# Allegro board RK_EVB7_RK3588_LP4XD200P232SD8_V11_20230111YWQ.brd (continued)
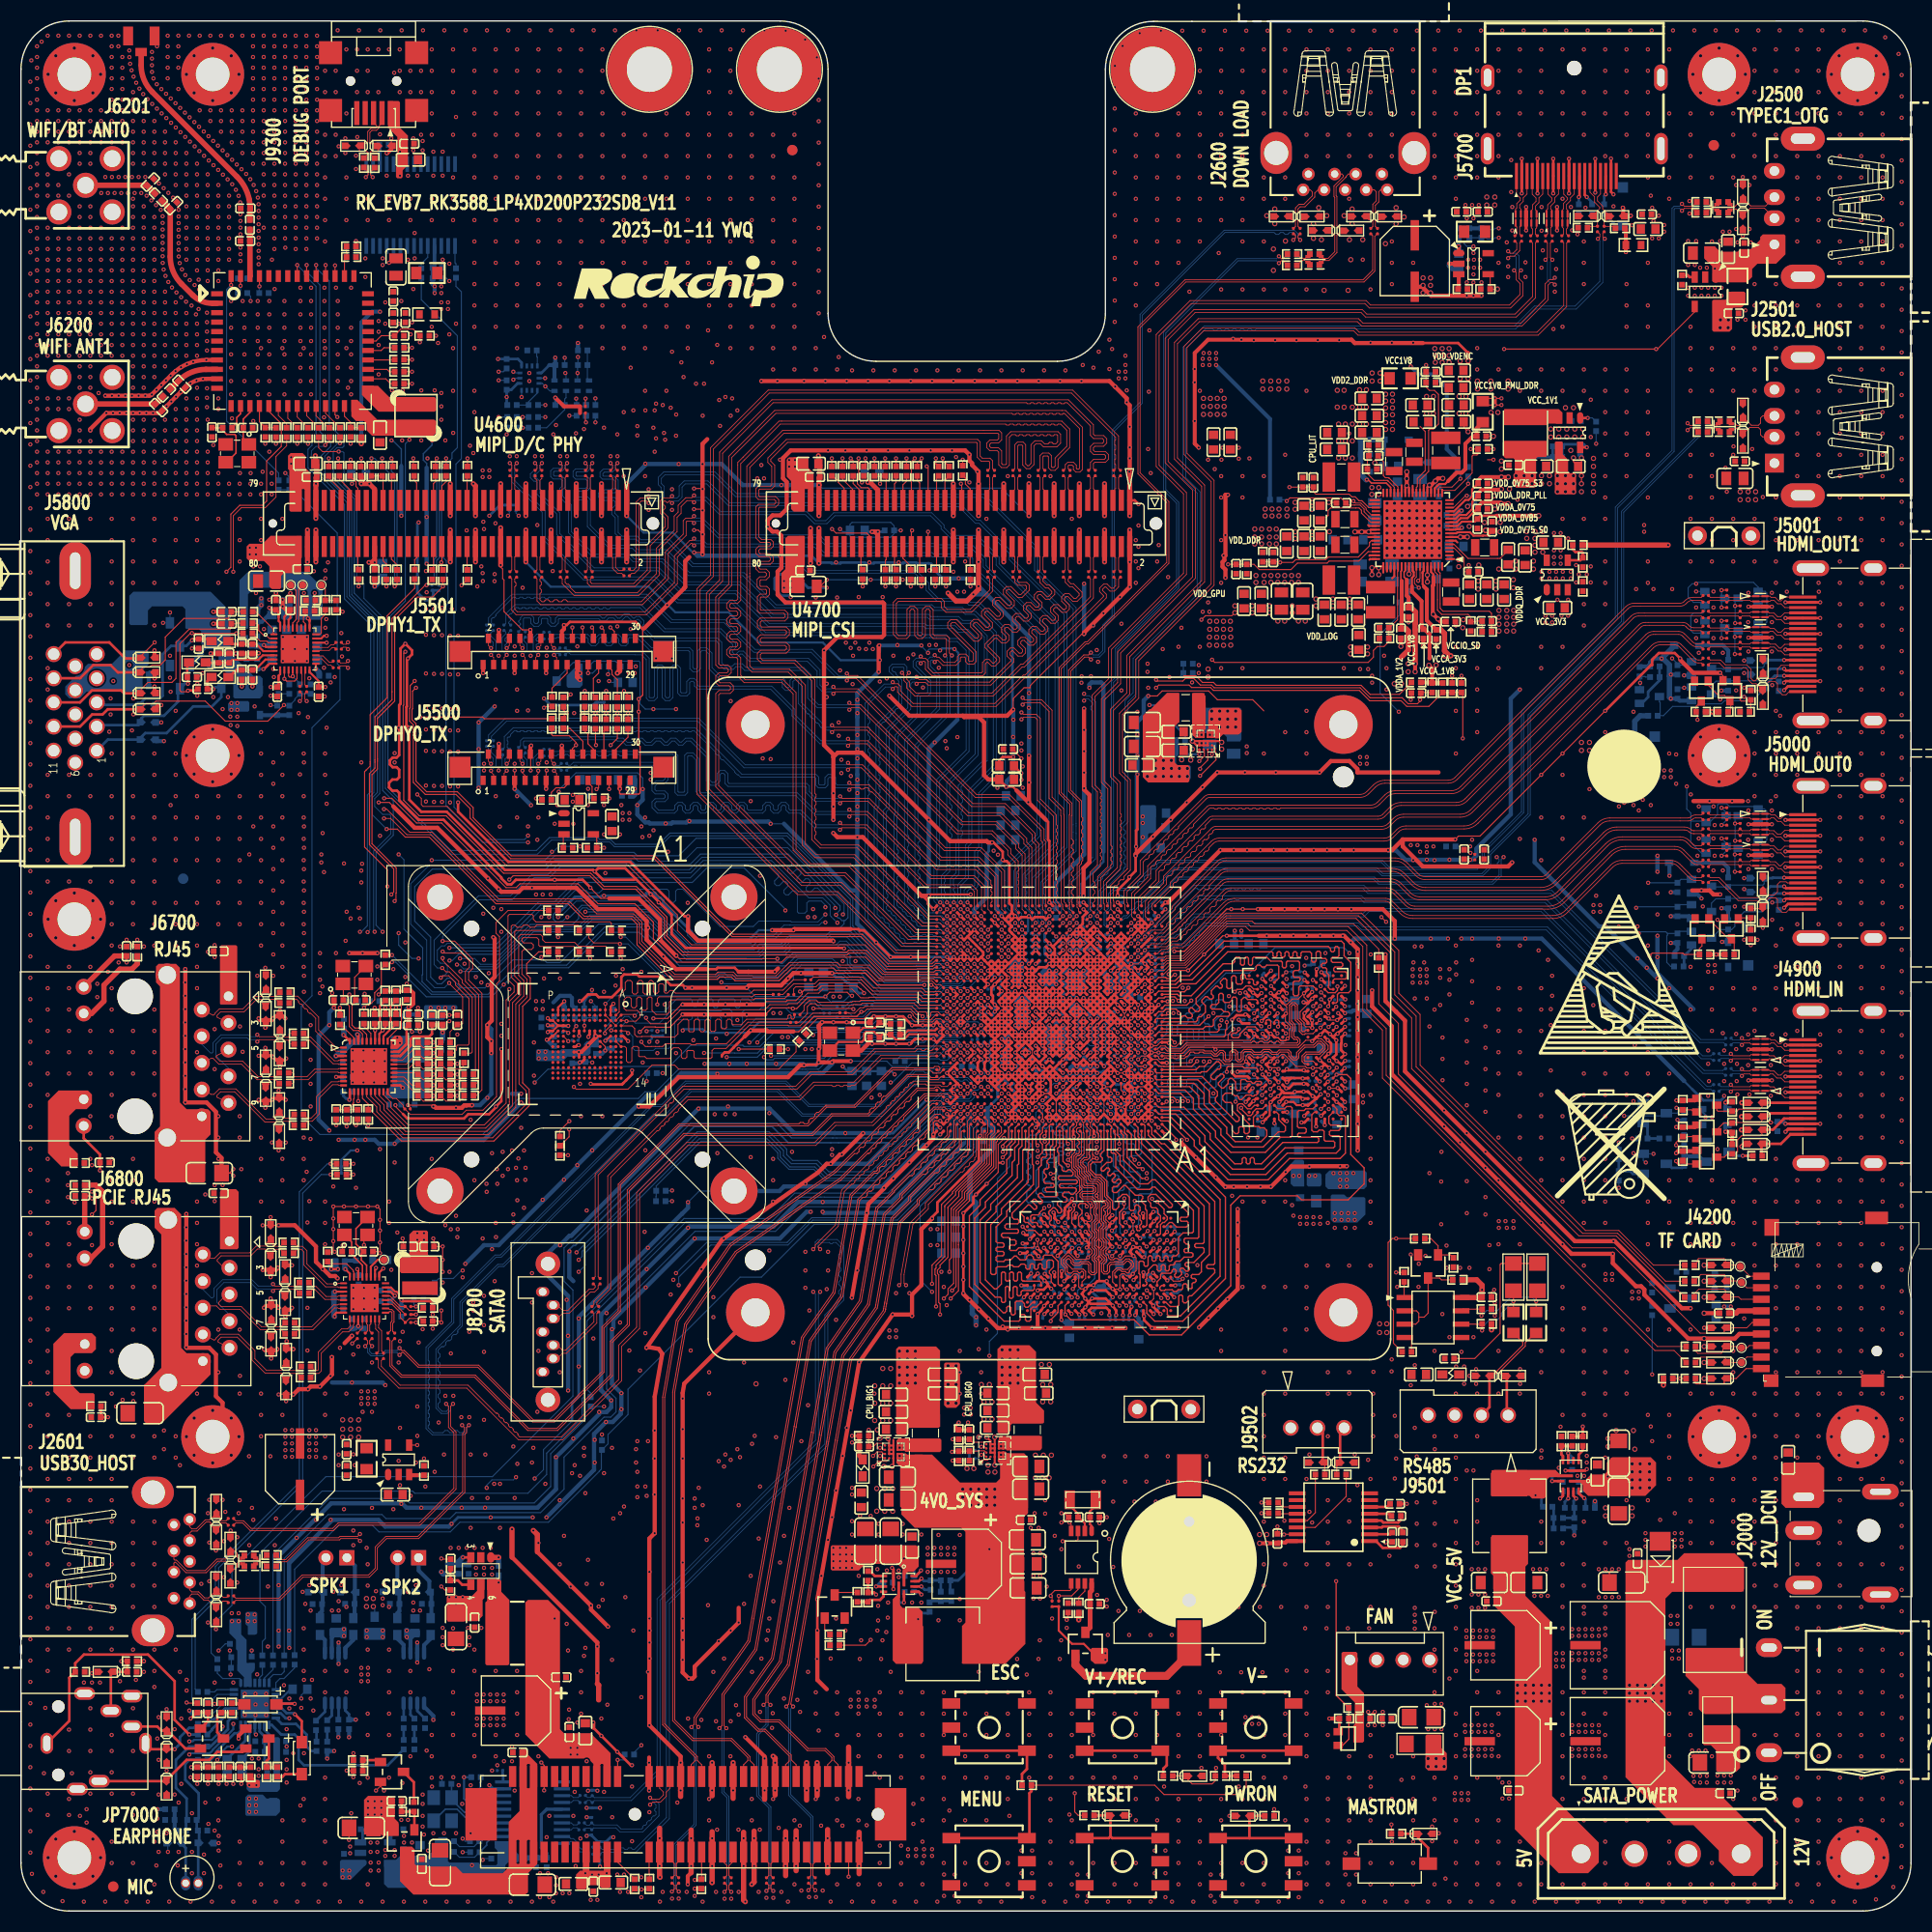
[diagram p0: board, top side]
## Routing (per net, layer and track width the routed paths; a pad name or vN(x,y) marks a point on that pad's centre or on a via; arc(x,y) is an arc through that point) (continued)
DDR_CH0_LP4/4X_CS0_A: length 18.8
  TOP w0.127: U3800.H4 119.37,84.71 119.51,84.85 119.69,84.85 119.79,84.75 119.79,84.3 v1(119.72,84.23) ; U1000.R6 v1(105.74,83.05)
  L6-S2 w0.089: 108.15,83.36 107.84,83.36 107.83,83.38 107.56,83.38 106.07,83.38 v1(105.74,83.05)
  L6-S2 w0.127: 108.15,83.36 108.32,83.2 119.89,83.2 120.04,83.35 120.04,83.62 120.16,83.74 120.16,84.74 120.02,84.88 119.82,84.88 119.69,84.75 119.69,84.26 v1(119.72,84.23)
DDR_CH0_LP4/4X_CS0_B: length 21.9
  TOP w0.127: v1(119.67,79.68) U3800.R4 ; U1000.L7 v1(105.09,80.45)
  BOTTOM w0.089: v1(105.09,80.45) 105.09,80.26 105.42,79.94 105.42,79.67 105.61,79.48 105.88,79.48 106.07,79.29 106.07,78.91 106.72,78.26 106.72,76.79 107.24,76.27
  BOTTOM w0.127: 107.24,76.27 108.08,76.27 108.48,75.86 114.71,75.86 114.83,75.99 114.83,78.65 114.94,78.76 118.3,78.76 118.6,79.07 118.82,79.29 119.28,79.29 119.67,79.68 v1(119.67,79.68)
DDR_CH0_LP4/4X_CS1_A: length 22.4
  TOP w0.127: U1000.R7 104.77,83.38 v1(105.09,83.05) ; v1(118.89,84.2) 119.02,84.34 119.02,84.74 118.9,84.86 118.66,84.86 118.57,84.78 U3800.H3
  BOTTOM w0.089: v1(105.09,83.05) 105.23,83.05 105.55,82.73 108.24,82.73 108.27,82.76
  BOTTOM w0.127: 108.27,82.76 109.12,83.61 109.12,84.37 109.25,84.5 109.5,84.5 109.63,84.37 109.63,83.48 109.75,83.35 110.01,83.35 110.13,83.48 110.13,84.37 110.26,84.5 111.02,84.5 111.15,84.62 111.15,84.88 111.28,85 111.53,85 111.66,84.88 111.66,84.62 111.79,84.5 112.04,84.5 112.17,84.62 112.17,85.26 112.29,85.38 112.55,85.38 112.67,85.26 112.67,84.62 112.8,84.5 113.06,84.5 113.18,84.37 113.18,83.58 113.31,83.45 115.95,83.45 116.48,83.99 117.63,83.99 117.7,83.91 118.6,83.91 v1(118.89,84.2)
DDR_CH0_LP4/4X_CS1_B: length 21.3
  TOP w0.127: U1000.L8 v1(104.44,80.45) ; v1(118.88,79.67) U3800.R3
  BOTTOM w0.089: v1(104.44,80.45) 104.63,80.45 104.96,80.78 105.23,80.78 105.42,80.59 105.42,80.26 105.55,80.13 105.88,80.13 106.72,79.29 106.72,78.77 107.37,78.12 107.37,76.85
  BOTTOM w0.127: v1(118.88,79.67) 118.77,79.67 118.39,79.29 114.75,79.29 114.33,78.86 114.33,76.49 114.2,76.37 108.61,76.37 108.36,76.62 107.59,76.62 107.37,76.85
DDR_CH1_A0_C: length 20
  TOP w0.127: U1000.G12 v1(101.84,77.85) ; v1(105.05,67.35) 105.05,66.97 104.62,66.54 104.62,65.5 U3801.H2
  BOTTOM w0.089: v1(101.84,77.85) 102.02,77.85 102.34,77.53 102.63,77.53 102.82,77.34 102.82,77.07 103.66,76.23 103.93,76.23 104.12,76.04 104.12,75.02
  BOTTOM w0.127: v1(105.05,67.35) 105.03,67.38 104.67,67.38 104.55,67.5 104.55,68.49 104.67,68.62 104.93,68.62 105.05,68.75 105.05,69.13 105.31,69.38 105.82,69.38 105.94,69.51 105.94,69.76 105.82,69.89 105.18,69.89 105.05,70.02 105.05,71.29 104.93,71.41 104.55,71.41 104.42,71.54 104.42,71.8 104.55,71.92 104.93,71.92 105.05,72.05 105.05,72.43 105.18,72.56 105.94,72.56 106.07,72.68 106.07,72.94 105.94,73.07 105.31,73.07 105.18,73.19 105.18,73.95 104.12,75.02
DDR_CH1_A0_D: length 24.3
  TOP w0.127: U3801.R2 100.08,65.5 100.08,66.49 100.33,66.74 100.33,67.15 100.3,67.17 v1(100.3,67.22) ; U1000.H15 v1(99.24,78.5)
  BOTTOM w0.089: 98.6,77.38 98.92,77.7 98.92,78 99.24,78.33 v1(99.24,78.5)
  BOTTOM w0.127: 98.6,77.38 98.6,74.87 98.82,74.65 99.23,74.65 99.34,74.54 99.34,74.38 99.23,74.27 98.56,74.27 98.45,74.16 98.45,74 98.56,73.89 99.23,73.89 99.34,73.78 99.34,73.62 99.23,73.51 98.82,73.51 98.7,73.4 98.7,73.24 98.82,73.13 99.23,73.13 99.34,73.02 99.34,72.86 99.23,72.75 98.82,72.75 98.7,72.64 98.7,72.48 98.82,72.37 99.23,72.37 99.34,72.26 99.34,72.1 99.23,71.99 98.82,71.99 98.7,71.87 98.7,71.41 98.58,71.29 97.82,71.29 97.69,71.16 97.69,70.78 97.31,70.4 97.31,69.59 97.43,69.46 97.97,69.46 98.09,69.33 98.09,69.05 97.92,68.87 97.43,68.87 97.31,68.75 97.31,68.57 97.43,68.44 99.14,68.44 99.21,68.37 100.36,68.37 100.56,68.16 100.56,67.45 100.33,67.22 v1(100.3,67.22)
DDR_CH1_A1_C: length 19.1
  TOP w0.127: v1(101.84,77.2) 101.52,77.53 U1000.F12 ; v1(103.89,64.8) 103.92,64.8 U3801.J2
  BOTTOM w0.089: 103.67,74.83 103.47,75.03 103.47,76.04 102.63,76.88 101.93,76.88 101.84,76.97 v1(101.84,77.2)
  BOTTOM w0.127: 103.67,74.83 104.04,74.46 104.04,74.08 104.17,73.95 104.7,73.95 104.82,73.83 104.82,73.57 104.7,73.45 104.17,73.45 104.04,73.32 104.04,70.96 104.15,70.85 104.43,70.85 104.55,70.74 104.55,70.58 104.43,70.47 104.15,70.47 104.04,70.35 104.04,70.2 104.15,70.09 104.43,70.09 104.55,69.97 104.55,69.82 104.43,69.7 104.15,69.7 104.04,69.59 104.04,69.43 104.15,69.32 104.43,69.32 104.55,69.21 104.55,69.05 104.43,68.94 104.15,68.94 104.04,68.83 104.04,66.97 104.28,66.73 104.28,64.7 104.15,64.57 104.02,64.57 103.89,64.7 v1(103.89,64.8)
DDR_CH1_A1_D: length 23.6
  TOP w0.127: U1000.G14 v1(100.54,77.85) ; v1(101.5,67.1) 101.5,67.23 101.35,67.38 100.87,67.38 100.72,67.23 100.72,67.04 101.04,66.72 101.04,66.44 100.72,66.12 100.72,65.3 100.85,65.18 101.05,65.18 U3801.P2
  L6-S2 w0.089: v1(100.54,77.85) 100.54,78.09 100.48,78.15 100.36,78.15 100.22,78.01 100.22,76.04 100.22,74.98
  L6-S2 w0.127: 100.22,74.98 100.23,74.97 100.23,74.84 100.1,74.72 99.59,74.72 99.47,74.59 99.47,74.11 99.59,73.98 99.87,73.98 100.1,74.21 100.36,74.21 100.7,74.55 100.88,74.55 101.12,74.31 101.12,74.08 101.02,73.98 101.02,73.8 101.12,73.7 101.12,73.5 100.99,73.37 100.34,73.37 100.23,73.26 100.23,73.1 100.34,72.99 101.01,72.99 101.12,72.88 101.12,72.72 101.01,72.61 100.72,72.61 100.61,72.5 100.61,72.34 100.72,72.23 101.01,72.23 101.12,72.12 101.12,71.41 101.5,71.03 101.5,70.84 101.63,70.72 101.82,70.72 102.01,70.52 102.01,70.3 101.89,70.18 101.48,70.18 101.37,70.07 101.37,69.91 101.48,69.8 101.89,69.8 102.01,69.69 102.01,69.51 101.88,69.38 101.5,69.38 101.37,69.26 101.37,69.13 101.52,68.98 101.75,68.98 101.88,68.86 101.88,68.75 101.63,68.49 101.63,68.17 101.51,68.05 101.48,68.05 101.37,67.94 101.37,67.78 101.48,67.67 101.51,67.67 101.63,67.56 101.63,67.22 v1(101.5,67.1)
DDR_CH1_A2_C: length 20.6
  TOP w0.127: v1(101.19,76.55) 100.87,76.88 U1000.E13 ; U3801.H9 105.02,59.51 105.02,59.33 105.14,59.2 v1(105.32,59.2)
  L6-S2 w0.089: v1(101.19,76.55) 101.52,76.23 102.02,76.23 102.17,76.08 102.17,75.14 102.17,75.14 102.17,75.12 102.36,74.93 102.38,74.93 102.57,74.74
  L6-S2 w0.127: v1(105.32,59.2) 105.14,59.2 105.02,59.33 105.02,59.51 104.29,60.23 104.29,63.1 104.28,63.12 104.28,64.26 104.29,64.27 104.29,71.9 104.04,72.15 104.04,73.27 102.57,74.74
DDR_CH1_A2_D: length 21.8
  TOP w0.127: U1000.G13 v1(101.19,77.85) ; v1(100.17,59.24) 100.4,59.47 U3801.R9
  L6-S2 w0.089: 101.18,74.78 100.87,75.09 100.87,77.53 v1(101.19,77.85)
  L6-S2 w0.127: v1(100.17,59.24) 100.76,59.24 102.26,60.75 102.26,66.08 102.01,66.33 102.01,68.37 102.51,68.87 102.51,70.56 101.5,71.57 101.5,74.46 101.18,74.78
DDR_CH1_A3_C: length 20
  TOP w0.127: U1000.D13 100.87,76.23 v1(101.19,75.9) ; U3801.H10 v1(104.65,58.48)
  L6-S2 w0.089: v1(101.19,75.9) 101.19,75.88 101.52,75.55 101.52,75.08 101.85,74.74
  L6-S2 w0.127: v1(104.65,58.48) 104.32,58.82 104.32,59.58 103.4,60.49 103.4,66.59 103.78,66.97 103.78,71.57 103.56,71.8 103.56,73.04 101.85,74.74
DDR_CH1_A3_D: length 21.1
  TOP w0.127: U3801.R10 100.63,58.55 v1(100.63,58.43) ; v1(100.54,76.55) 100.22,76.88 U1000.E14
  BOTTOM w0.089: v1(100.54,76.55) 100.87,76.23 100.87,76.04 100.87,75.09 101.03,74.93
  BOTTOM w0.127: 101.03,74.93 101.75,74.21 101.75,71.67 102.39,71.03 102.39,69.76 102.08,69.46 102.08,67.63 102.39,67.33 102.39,65.95 102.26,65.83 102.26,60.24 101.73,59.71 101.24,59.71 100.63,59.09 v1(100.63,58.43)
DDR_CH1_A4_C: length 19.3
  TOP w0.127: U1000.A10 102.87,74.23 102.87,72.6 v1(102.46,72.2) ; U3801.H11 v1(105.27,57.65)
  L6-S2 w0.127: v1(102.46,72.2) 103.4,71.25 103.4,67.71 103.02,67.33 103.02,58.92 103.86,58.08 104.85,58.08 v1(105.27,57.65)
DDR_CH1_A4_D: length 19.7
  TOP w0.127: v1(99.72,73.07) 99.57,73.22 U1000.A15 ; v1(100.1,57.65) 100.1,57.68 U3801.R11
  L6-S2 w0.127: v1(100.1,57.65) 100.1,57.68 99.72,58.06 99.72,59.35 100.03,59.65 100.58,59.65 101.12,60.19 101.12,62.27 101.88,63.03 101.88,64.81 101.5,65.19 101.24,65.19 100.99,65.45 100.99,65.7 101.12,65.83 101.12,67.48 100.99,67.6 100.99,70.91 100.74,71.16 100.74,71.67 100.1,72.3 100.1,72.71 99.75,73.07 v1(99.72,73.07)
DDR_CH1_A5_C: length 20.4
  TOP w0.127: U3801.J11 v1(104.62,57.65) ; U1000.B11 102.17,74.93 102.49,74.61 102.49,74.15 102.61,74.03 102.61,73.47 102.46,73.32 v1(102.46,73.27)
  L6-S2 w0.127: v1(104.62,57.65) 104.28,57.31 103.83,57.31 102.64,58.5 102.64,67.63 103.02,68.01 103.02,70.59 102.12,71.49 102.12,72.92 v1(102.46,73.27)
DDR_CH1_A5_D: length 21.4
  TOP w0.127: v1(99.72,72.05) 100.12,72.45 100.12,73.3 99.89,73.53 99.89,74.61 100.22,74.93 U1000.B14 ; U3801.P11 v1(100.75,57.68)
  L6-S2 w0.127: v1(99.72,72.05) 100.1,71.67 100.1,71.26 100.61,70.75 100.61,67.43 100.72,67.31 100.72,67.13 100.13,66.54 100.13,65.9 100.46,65.57 100.46,64.53 100.23,64.3 99.97,64.3 99.72,64.05 99.72,60.77 99.31,60.37 99.21,60.37 98.98,60.14 98.98,58.94 99.34,58.59 99.34,57.88 99.92,57.29 100.36,57.29 v1(100.75,57.68)
DDR_CH1_CLKN_C: length 23.8
  TOP w0.102: U3801.J9 103.96,59.91 103.96,60.86 104.36,61.25 104.78,61.25 104.93,61.1 105.38,61.1 105.75,61.47 105.75,61.62 105.47,61.9 105.32,61.9 105.01,61.58 103.82,61.58 103.67,61.43 103.67,60.89 103.45,60.67 103.14,60.67 102.92,60.89 102.92,61.69 103.17,61.95 103.17,62.18 102.87,62.49 102.87,63 103.14,63.28 103.14,63.77 102.87,64.04 102.87,64.97 103.14,65.25 103.14,65.46 102.92,65.68 102.92,66.94 103.12,67.15 103.23,67.15 103.32,67.24 103.32,67.37 103.22,67.46 103.01,67.46 102.79,67.68 102.79,69.22 102.53,69.48 101.85,69.48 101.63,69.7 101.63,69.94 101.24,70.33 101.24,70.75 100.92,71.07 100.92,71.45 101.22,71.74 101.47,71.74 101.5,71.77 101.5,74.26 U1000.A12
DDR_CH1_CLKN_D: length 26.4
  TOP w0.102: U1000.A13 100.99,74.16 100.99,72.15 100.77,71.93 100.61,71.93 100.48,71.8 100.48,70.94 100.81,70.6 100.81,70.19 101.22,69.78 101.22,69.18 101.33,69.08 102.14,69.08 102.36,68.86 102.36,68.55 102.15,68.33 101.15,68.33 101.06,68.24 101.06,68.12 101.15,68.03 102.07,68.03 102.39,67.7 102.39,67.51 102.51,67.39 102.51,66.93 102.39,66.81 102.39,66.41 102.51,66.29 102.51,65.79 102.2,65.48 102.2,64.88 102.46,64.62 102.46,64.14 102.2,63.88 102.2,63.28 102.46,63.02 102.46,62.51 102.21,62.26 102.21,62.1 102.46,61.85 102.46,60.82 102.24,60.6 101.93,60.6 101.68,60.85 101.68,61.53 101.57,61.64 100.99,61.64 100.86,61.51 100.23,61.51 100.01,61.73 100.01,61.92 99.82,62.11 99.68,62.11 99.49,61.93 99.49,61.76 100.13,61.13 101.17,61.13 101.4,60.91 101.4,60.26 101.05,59.91 U3801.P9
DDR_CH1_CLKP_C: length 24.5
  TOP w0.102: U1000.B12 101.52,74.72 101.85,74.38 101.85,73.89 101.7,73.74 101.7,73.59 101.78,73.52 101.85,73.44 101.85,73.14 101.7,72.99 101.7,72.68 101.85,72.54 101.85,72.4 101.7,72.25 101.7,72.05 101.81,71.94 101.81,71.79 101.56,71.54 101.31,71.54 101.13,71.36 101.13,71.15 101.45,70.83 101.45,70.42 101.83,70.03 101.83,69.79 101.94,69.69 102.62,69.69 103,69.31 103,67.77 103.1,67.66 103.31,67.66 103.52,67.45 103.52,67.15 103.31,66.95 103.21,66.95 103.12,66.86 103.12,66.71 103.28,66.56 103.28,66.36 103.12,66.21 103.12,65.77 103.34,65.54 103.34,65.16 103.07,64.89 103.07,64.13 103.35,63.85 103.35,63.19 103.07,62.92 103.07,62.57 103.38,62.27 103.38,61.86 103.12,61.61 103.12,60.97 103.22,60.87 103.36,60.87 103.47,60.98 103.47,61.52 103.74,61.79 104.09,61.79 104.14,61.84 104.45,61.84 104.5,61.79 104.93,61.79 105.24,62.1 105.55,62.1 105.66,61.99 105.75,61.99 105.85,61.89 105.85,61.8 105.95,61.7 105.95,61.39 105.56,61 105.56,60.87 105.46,60.77 105.31,60.77 105.18,60.9 104.84,60.9 104.69,61.05 104.44,61.05 104.17,60.77 104.17,60.48 104.27,60.38 U3801.J8
DDR_CH1_CLKP_D: length 27.4
  TOP w0.102: U1000.B13 100.96,74.84 100.96,74.69 100.86,74.59 100.66,74.59 100.53,74.46 100.53,74.16 100.79,73.9 100.79,73.75 100.62,73.58 100.62,73.44 100.79,73.27 100.79,73.07 100.61,72.88 100.61,72.74 100.79,72.56 100.79,72.23 100.69,72.13 100.52,72.13 100.28,71.89 100.28,70.85 100.61,70.52 100.61,70.1 101.02,69.69 101.02,69.1 101.24,68.87 102.06,68.87 102.16,68.77 102.16,68.63 102.06,68.53 101.07,68.53 100.86,68.33 100.86,68.03 101.07,67.82 101.98,67.82 102.18,67.62 102.18,67.43 102.31,67.31 102.31,67.02 102.19,66.9 102.19,66.33 102.31,66.21 102.31,65.87 102,65.57 102,64.79 102.26,64.54 102.26,64.22 102,63.97 102,63.19 102.26,62.94 102.26,62.6 102.01,62.35 102.01,62.01 102.26,61.76 102.26,60.9 102.15,60.8 102.01,60.8 101.88,60.93 101.88,61.62 101.66,61.84 100.91,61.84 100.78,61.71 100.31,61.71 100.21,61.81 100.21,62.01 99.82,62.4 99.68,62.4 99.29,62.01 99.29,61.68 99.65,61.31 99.65,60.89 99.78,60.76 100.06,60.76 100.23,60.92 100.61,60.92 100.76,60.77 100.86,60.77 101,60.91 101.1,60.91 101.19,60.82 101.19,60.52 U3801.P8
DDR_CH1_DM0_C: length 17.5
  TOP w0.127: v1(108.23,67.55) 108.23,67.48 108.86,66.84 108.86,66.41 109.17,66.1 109.17,65.85 108.89,65.57 108.74,65.57 108.52,65.36 108.52,64.51 108.39,64.38 U3801.C3 ; U1000.F8 v1(104.44,77.2)
  L6-S2 w0.089: v1(104.44,77.2) 104.11,76.88 103.93,76.88 103.93,76.88 103.66,76.88 103.65,76.88 103.53,76.88 103.4,76.75 103.4,75.43 103.45,75.38 103.45,74.8
  L6-S2 w0.127: v1(108.23,67.55) 108.23,70.78 106.51,72.49 105.75,72.49 103.45,74.8
DDR_CH1_DM0_D: length 14.7
  TOP w0.127: U3801.Y3 96.98,64.38 96.55,64.81 95.76,64.81 v1(95.39,65.18) ; v1(96.64,76.55) 96.32,76.23 U1000.D20
  L6-S2 w0.089: v1(96.64,76.55) 96.8,76.4 96.8,75.73 96.97,75.56 96.97,74.38
  L6-S2 w0.127: 96.97,74.38 96.29,73.7 96.29,72.68 95.53,71.92 95.53,65.32 v1(95.39,65.18)
DDR_CH1_DM1_C: length 21.8
  TOP w0.127: U3801.C10 v1(108.6,58.38) ; v1(106.39,75.9) 106.72,76.23 U1000.D4
  L6-S2 w0.089: v1(106.39,75.9) 106.71,75.59 106.71,75.4 106.72,75.39 106.72,75.12 106.71,75.11 106.71,74.97 106.83,74.84 107.34,74.84 107.98,74.21 107.98,74.08 108.59,73.47
  L6-S2 w0.127: 108.59,73.47 111.02,71.03 111.02,61.25 109.12,59.35 109.12,58.97 108.6,58.45 v1(108.6,58.38)
DDR_CH1_DM1_D: length 21.1
  TOP w0.127: v1(95.34,75.9) 95.02,76.23 U1000.D22 ; U3801.Y10 v1(96.8,58.43)
  L6-S2 w0.089: v1(95.34,75.9) 95.02,75.58 95.02,75.39 95.02,75.39 95.02,75.12 95.02,75.12 95.02,74.72 94.74,74.44
  L6-S2 w0.127: v1(96.8,58.43) 96.26,58.97 95.28,58.97 93.5,60.75 93.5,70.65 94.01,71.16 94.01,72.89 94.64,73.52 94.64,74.34 94.74,74.44
DDR_CH1_DQ0_C: length 17.3
  TOP w0.127: U1000.A8 104.12,74.14 104.21,74.05 104.21,72.44 104.67,71.97 104.67,71.11 106.53,69.26 107.34,69.26 107.72,69.64 108.02,69.64 111.15,66.51 111.15,66.19 111.04,66.07 110.5,66.07 110.39,65.96 110.39,65.8 110.5,65.69 111.04,65.69 111.15,65.58 111.15,65.32 110.97,65.14 110.06,65.14 109.63,65.57 109.37,65.57 108.98,65.18 U3801.B2
DDR_CH1_DQ0_D: length 18.7
  TOP w0.127: U1000.A17 98.27,74.28 98.27,72.98 98.04,72.76 98.04,71.77 97.72,71.44 97.72,71.26 97.88,71.09 97.88,70.81 97.76,70.68 97.54,70.68 97.43,70.57 97.43,70.3 97.65,70.08 97.65,69.9 97.43,69.69 97.43,69.41 97.55,69.3 98.29,69.3 98.4,69.18 98.4,69.03 98.29,68.92 97.67,68.92 97.56,68.8 97.56,68.62 97.69,68.49 98.58,68.49 98.7,68.37 98.7,68.16 98.58,68.04 97.51,68.04 97.19,68.35 97.01,68.35 96.87,68.21 96.87,68.05 97.28,67.65 97.28,67.49 97.17,67.38 97.01,67.38 96.6,67.78 96.44,67.78 96.33,67.67 96.33,67.52 96.74,67.11 96.74,66.95 96.63,66.84 96.47,66.84 96.06,67.25 95.91,67.25 95.24,66.58 95.24,66.4 95.53,66.11 95.53,65.7 95.66,65.57 95.91,65.57 96.3,65.18 U3801.AA2
DDR_CH1_DQ1_C: length 18.6
  TOP w0.127: U3801.C2 108.2,65.41 108.52,65.74 108.52,66.21 108.4,66.33 108.36,66.33 108.26,66.43 108.26,66.81 108.1,66.97 107.72,66.97 107.59,67.1 107.59,67.42 107.34,67.67 107.34,67.99 107.6,68.25 108.08,68.25 109.34,66.99 109.52,66.99 109.65,67.12 109.65,67.3 108,68.94 107.75,68.94 107.53,68.72 106.32,68.72 104.26,70.78 104.26,72.05 104.14,72.18 103.91,72.18 103.82,72.27 103.82,73.75 103.79,73.79 103.79,74.46 103.87,74.54 103.87,74.72 103.66,74.93 U1000.B9
DDR_CH1_DQ1_D: length 16.5
  TOP w0.127: v1(97.46,66.95) 97.01,66.5 97.01,66.42 96.88,66.29 96.29,66.29 96.16,66.17 96.16,65.7 96.29,65.57 96.69,65.57 96.82,65.45 96.82,65.31 96.95,65.18 U3801.Y2 ; v1(98.07,70.22) 98.39,70.22 98.61,70.44 98.61,70.64 98.4,70.86 98.4,72.71 98.6,72.91 98.6,74.61 98.92,74.93 U1000.B16
  L6-S2 w0.127: v1(98.07,70.22) 98.18,70.33 98.18,70.51 98,70.7 97.82,70.7 97.51,70.39 97.51,70.19 97.66,70.04 97.66,69.86 97.53,69.74 97.18,69.74 97.05,69.61 97.05,69.4 97.16,69.29 97.36,69.29 97.47,69.18 97.47,69.02 97.36,68.91 97.16,68.91 97.05,68.8 97.05,68.64 97.16,68.53 97.36,68.53 97.47,68.42 97.47,68.26 97.36,68.15 97.16,68.15 97.05,68.04 97.05,67.88 97.16,67.77 97.36,67.77 97.47,67.66 97.47,67.5 97.36,67.39 97.16,67.39 97.05,67.28 97.05,66.84 97.18,66.72 97.36,66.72 97.46,66.81 v1(97.46,66.95)
DDR_CH1_DQ2_C: length 17.4
  TOP w0.127: U3801.E2 107.1,65.18 107.22,65.31 107.22,66.71 107.09,66.84 107.09,67.21 106.72,67.57 106.72,67.75 106.83,67.86 106.83,68.04 106.71,68.17 106.13,68.17 105.2,69.09 105.02,69.09 104.35,68.43 104.06,68.43 103.94,68.56 103.94,68.87 104.06,69 104.35,69 104.75,69.4 104.75,69.58 104.64,69.69 104.48,69.69 104.19,69.4 104.04,69.4 103.92,69.52 103.92,69.67 104.21,69.96 104.21,70.12 104.1,70.23 103.94,70.23 103.75,70.04 103.59,70.04 103.48,70.15 103.48,70.31 103.67,70.5 103.67,70.66 103.56,70.77 103.4,70.77 103.12,70.48 102.96,70.48 102.87,70.57 102.87,70.75 103.4,71.29 103.76,71.29 103.89,71.41 103.89,71.67 103.76,71.79 103.59,71.79 103.47,71.92 103.47,74.28 U1000.A9
DDR_CH1_DQ2_D: length 21.2
  TOP w0.127: U1000.A16 98.92,74.28 98.92,72.82 98.7,72.61 98.7,72.3 98.83,72.18 98.83,71.17 99.15,70.85 99.15,70.58 99.28,70.45 99.59,70.45 99.74,70.6 99.92,70.6 100.19,70.32 100.19,70.14 100.06,70.02 98.91,70.02 98.78,69.89 98.78,69.74 98.88,69.64 100.48,69.64 100.6,69.52 100.6,69.38 100.48,69.26 99.01,69.26 98.91,69.16 98.91,68.98 99.01,68.87 100.38,68.87 100.51,68.75 100.51,68.57 100.19,68.25 100.01,68.25 99.8,68.47 99.36,68.47 99.21,68.31 99.21,68.11 99.34,67.99 99.47,67.99 99.63,67.82 99.63,67.64 99.5,67.51 99.18,67.51 99.1,67.59 98.83,67.59 98.7,67.46 98.7,67.25 99.09,66.87 99.09,66.59 98.98,66.49 98.8,66.49 98.7,66.59 98.7,66.72 98.45,66.97 98.27,66.97 98.02,66.72 98,66.72 97.87,66.59 97.87,66.41 98.12,66.16 98.12,65.8 97.96,65.64 97.96,65.46 98.11,65.31 98.32,65.31 98.45,65.19 U3801.V2
DDR_CH1_DQ3_C: length 19.3
  TOP w0.127: U3801.F2 106.25,64.89 106.34,64.8 106.52,64.8 106.63,64.91 106.63,64.99 106.55,65.07 106.55,65.29 106.71,65.45 106.71,65.7 106.57,65.83 106.57,66.2 106.41,66.37 106.41,66.55 106.58,66.72 106.58,67.03 106.38,67.23 106.2,67.23 106.07,67.11 106.07,66.84 105.94,66.72 105.69,66.72 105.56,66.84 105.56,67.99 105.3,68.25 104.91,68.25 104.61,67.95 104.55,67.95 104.42,67.82 104.42,67.6 104.55,67.48 104.55,67.05 104.28,66.78 104.09,66.78 103.95,66.93 103.95,67.62 103.42,68.15 103.42,69.5 102.81,70.11 102.35,70.11 101.87,70.59 101.87,71.1 102.08,71.32 102.8,71.32 103,71.52 103,71.7 102.8,71.89 102.8,72.08 103.15,72.43 103.15,74.8 103.02,74.93 U1000.B10
DDR_CH1_DQ3_D: length 16.3
  TOP w0.127: v1(99.72,71) 99.56,71.16 99.47,71.16 99.23,71.39 99.23,74.44 99.15,74.52 99.15,74.7 99.35,74.9 99.54,74.9 U1000.B15 ; v1(99.44,64.84) U3801.U2
  L6-S2 w0.127: v1(99.44,64.84) 99.82,65.22 99.82,65.65 99.49,65.98 99.49,66.11 99.59,66.21 99.72,66.21 99.82,66.31 99.82,66.49 99.72,66.59 99.56,66.59 99.43,66.72 99.43,66.93 99.54,67.04 99.62,67.04 99.74,67.15 99.74,67.31 99.62,67.42 99.54,67.42 99.43,67.53 99.43,67.69 99.54,67.8 99.62,67.8 99.74,67.92 99.74,68.07 99.62,68.18 99.54,68.18 99.43,68.3 99.43,68.59 99.57,68.73 100.1,68.73 100.23,68.85 100.23,69.03 100.12,69.14 99.54,69.14 99.43,69.26 99.43,69.41 99.54,69.52 100.12,69.52 100.23,69.64 100.23,69.79 100.12,69.91 99.54,69.91 99.43,70.02 99.43,70.18 99.54,70.29 100.12,70.29 100.23,70.4 100.23,70.59 100.13,70.69 99.85,70.69 99.72,70.81 v1(99.72,71)
DDR_CH1_DQ4_C: length 12.5
  TOP w0.127: v1(106.07,71.54) 105.75,71.85 105.75,73.94 105.42,74.28 U1000.A6 ; U3801.F4 v1(105.86,63.97)
  L6-S2 w0.127: v1(106.07,71.54) 104.67,70.14 104.67,64.68 105.05,64.3 105.52,64.3 v1(105.86,63.97)
DDR_CH1_DQ4_D: length 14.5
  TOP w0.127: v1(96.82,72.91) 96.67,73.06 96.67,73.98 U1000.A19 ; U3801.U4 v1(98.73,63.95)
  L6-S2 w0.127: v1(96.82,72.91) 96.96,72.91 97.31,72.56 97.31,71.27 96.29,70.25 96.29,64.43 96.43,64.29 96.43,63.77 96.64,63.57 98.35,63.57 v1(98.73,63.95)
DDR_CH1_DQ5_C: length 14.8
  TOP w0.127: U1000.B7 104.77,74.93 105.1,74.59 105.1,74.13 105.35,73.88 105.35,71.75 106.32,70.78 106.71,70.78 v1(106.83,70.65) ; U3801.E4 v1(107.2,63.27)
  L6-S2 w0.127: v1(106.83,70.65) 105.56,69.38 105.56,65.32 105.69,65.19 106.07,65.19 106.22,65.04 106.22,63.9 106.5,63.62 106.86,63.62 v1(107.2,63.27)
DDR_CH1_DQ5_D: length 16.1
  TOP w0.127: U1000.B18 97.62,74.93 97.29,74.6 97.29,74.14 97.05,73.9 97.05,73.24 97.28,73.02 97.28,72.25 v1(96.85,71.82) ; U3801.V4 v1(98.07,63.21)
  L6-S2 w0.127: v1(98.07,63.21) 97.65,62.78 96.55,62.78 96.16,63.16 96.16,63.41 95.73,63.85 95.73,64.25 95.91,64.43 95.91,71.54 96.19,71.82 v1(96.85,71.82)
DDR_CH1_DQ6_C: length 14.3
  TOP w0.127: U3801.C4 108.45,63.84 v1(108.45,63.92) ; v1(107.21,69.76) 106.76,69.76 104.99,71.53 104.99,73.88 104.77,74.11 U1000.A7
  L6-S2 w0.127: v1(108.45,63.92) 108.08,63.54 107.59,63.54 106.58,64.56 106.58,65.45 106.45,65.57 106.45,69 v1(107.21,69.76)
DDR_CH1_DQ6_D: length 14.1
  TOP w0.127: U3801.Y4 97.15,63.64 v1(97.43,63.92) ; v1(97.48,73.79) 97.49,73.79 97.62,73.91 U1000.A18
  L6-S2 w0.089: v1(97.48,73.79) 97.48,73.99 97.39,74.08 97.05,74.08 96.67,73.7 96.67,73.45 96.8,73.32 96.98,73.32 97.43,72.86
  L6-S2 w0.127: 97.43,72.86 97.69,72.61 97.69,72.18 97.82,72.05 97.94,72.05 98.07,71.92 98.07,71.67 97.94,71.54 97.82,71.54 97.69,71.41 97.69,71.11 97.12,70.54 97.12,70.36 96.99,70.23 96.81,70.23 96.67,70.09 96.67,66.21 96.98,65.9 96.98,65.6 96.67,65.29 96.67,64.68 v1(97.43,63.92)
DDR_CH1_DQ7_C: length 15.5
  TOP w0.127: U1000.B8 104.44,74.6 104.44,73.87 104.6,73.72 v1(104.6,73.07) ; U3801.B4 v1(109.15,63.88)
  L6-S2 w0.127: v1(109.15,63.88) 109.03,63.88 108.61,64.3 107.21,64.3 106.96,64.56 106.96,65.83 107.34,66.21 107.34,69.13 107.85,69.64 107.85,70.4 106.17,72.08 105.61,72.08 104.62,73.07 v1(104.6,73.07)
DDR_CH1_DQ7_D: length 22.5
  TOP w0.127: U1000.B17 98.07,74.93 97.94,74.8 97.94,73.21 97.63,72.91 97.63,72.23 97.69,72.18 97.69,71.92 97.56,71.8 97.31,71.8 97.18,71.67 97.18,71.51 97.16,71.49 97.16,71.03 96.93,70.8 96.93,68.99 94.39,66.45 94.39,66.08 94.59,65.88 94.92,65.88 95.04,65.75 95.04,65.57 94.92,65.45 93.87,65.45 93.71,65.28 93.71,65.1 93.87,64.94 94.89,64.94 94.99,64.84 94.99,64.66 94.89,64.56 93.5,64.56 93.37,64.43 93.37,64.3 93.53,64.14 94.04,64.14 94.26,63.92 94.64,63.92 94.77,63.79 94.77,63.54 94.64,63.41 94.26,63.41 94.13,63.29 94.13,63.03 94.26,62.91 94.77,62.91 95.02,63.16 96.37,63.16 96.5,63.29 U3801.AA4
DDR_CH1_DQ8_C: length 25.3
  TOP w0.127: U1000.A3 107.37,73.89 113.69,67.56 113.69,61.67 113.58,61.56 113.04,61.56 112.93,61.45 112.93,61.29 113.04,61.18 113.58,61.18 113.69,61.06 113.69,60.79 111.49,58.59 111.28,58.59 111.15,58.46 111.15,58.12 110.95,57.92 110.77,57.92 110.64,58.05 110.64,58.56 110.54,58.66 110.36,58.66 110.26,58.56 110.26,57.7 110.13,57.57 109.44,57.57 109.03,57.98 U3801.B11
DDR_CH1_DQ8_D: length 26
  TOP w0.127: U3801.AA11 96.37,57.98 95.88,57.49 95.69,57.49 95.56,57.62 95.56,57.84 95.33,58.08 94.82,58.08 94.69,57.95 94.69,56.89 94.56,56.77 94.4,56.77 94.29,56.88 94.29,57.45 94.16,57.58 93.99,57.58 93.88,57.47 93.88,57.13 93.72,56.98 93.54,56.98 90.83,59.69 90.83,66 91.85,67.01 91.85,67.52 94.39,70.06 94.39,71.29 94.64,71.54 94.64,72.68 95.02,73.06 U1000.A22
DDR_CH1_DQ9_C: length 26
  TOP w0.127: U3801.C11 108.2,57.73 108.36,57.57 108.91,57.57 109.17,57.31 109.17,56.81 109.3,56.68 110.43,56.68 114.2,60.45 114.2,67.78 108.91,73.07 108.61,73.07 107.69,73.99 107.69,74.61 107.37,74.93 U1000.B3
DDR_CH1_DQ9_D: length 27.9
  TOP w0.127: U1000.B22 94.68,74.59 94.68,73.24 94.26,72.81 94.26,71.92 93.88,71.54 93.88,70.27 91.34,67.73 91.34,67.22 90.32,66.21 90.32,59.48 93.62,56.17 95.02,56.17 95.15,56.3 95.15,56.68 95.28,56.81 95.53,56.81 95.66,56.68 95.66,56.3 95.78,56.17 96.04,56.17 96.17,56.31 96.17,57.33 96.36,57.52 96.69,57.52 U3801.Y11
DDR_CH1_DQ10_C: length 27.7
  TOP w0.127: U3801.E11 107.21,57.66 107.21,56.94 107.98,56.17 110.64,56.17 114.71,60.24 114.71,67.99 109.19,73.5 108.79,73.5 108.02,74.28 U1000.A2
DDR_CH1_DQ10_D: length 21.3
  TOP w0.127: U3801.V11 v1(98.1,57.63) ; v1(93.5,71.77) 93.88,72.15 93.88,72.81 94.37,73.3 U1000.A23
  L6-S2 w0.127: v1(98.1,57.63) 97.74,57.27 96.22,57.27 93.13,60.36 93.13,71.43 93.47,71.77 v1(93.5,71.77)
DDR_CH1_DQ11_C: length 23.2
  TOP w0.127: U1000.B2 v1(108.34,74.61) ; v1(106.58,57.65) U3801.F11
  L6-S2 w0.089: 108.99,73.46 108.35,74.1 108.35,74.6 v1(108.34,74.61)
  L6-S2 w0.127: v1(106.58,57.65) 107.24,57.65 107.67,58.08 108.23,58.08 108.48,57.83 109.68,57.83 111.4,59.55 111.4,71.19 109.35,73.24 109.13,73.46 108.99,73.46
DDR_CH1_DQ11_D: length 24.6
  TOP w0.127: v1(98.07,56.17) 98.07,56.3 98.7,56.94 98.7,56.99 98.76,57.05 98.76,57.64 U3801.U11 ; U1000.B23 94.05,74.61 94.05,73.49 93.5,72.94 v1(93.5,72.81)
  L6-S2 w0.127: v1(93.5,72.81) 93.47,72.81 92.74,72.08 92.74,60.22 96.52,56.43 97.82,56.43 v1(98.07,56.17)